# Altium PCB myfirst_project.PcbDoc (part 2 of 2)
Units mil, origin at the board's own origin, x right, y up, seen from the top; angles counter-clockwise.
Board outline 4094.44 x 3747.51 mil, 4 copper layers (Top Layer, Int1 (GND), Int2 (PWR), Bottom Layer), stack 53.819 mil thick; 127 components, 88 nets, 460 pads, 97 vias.
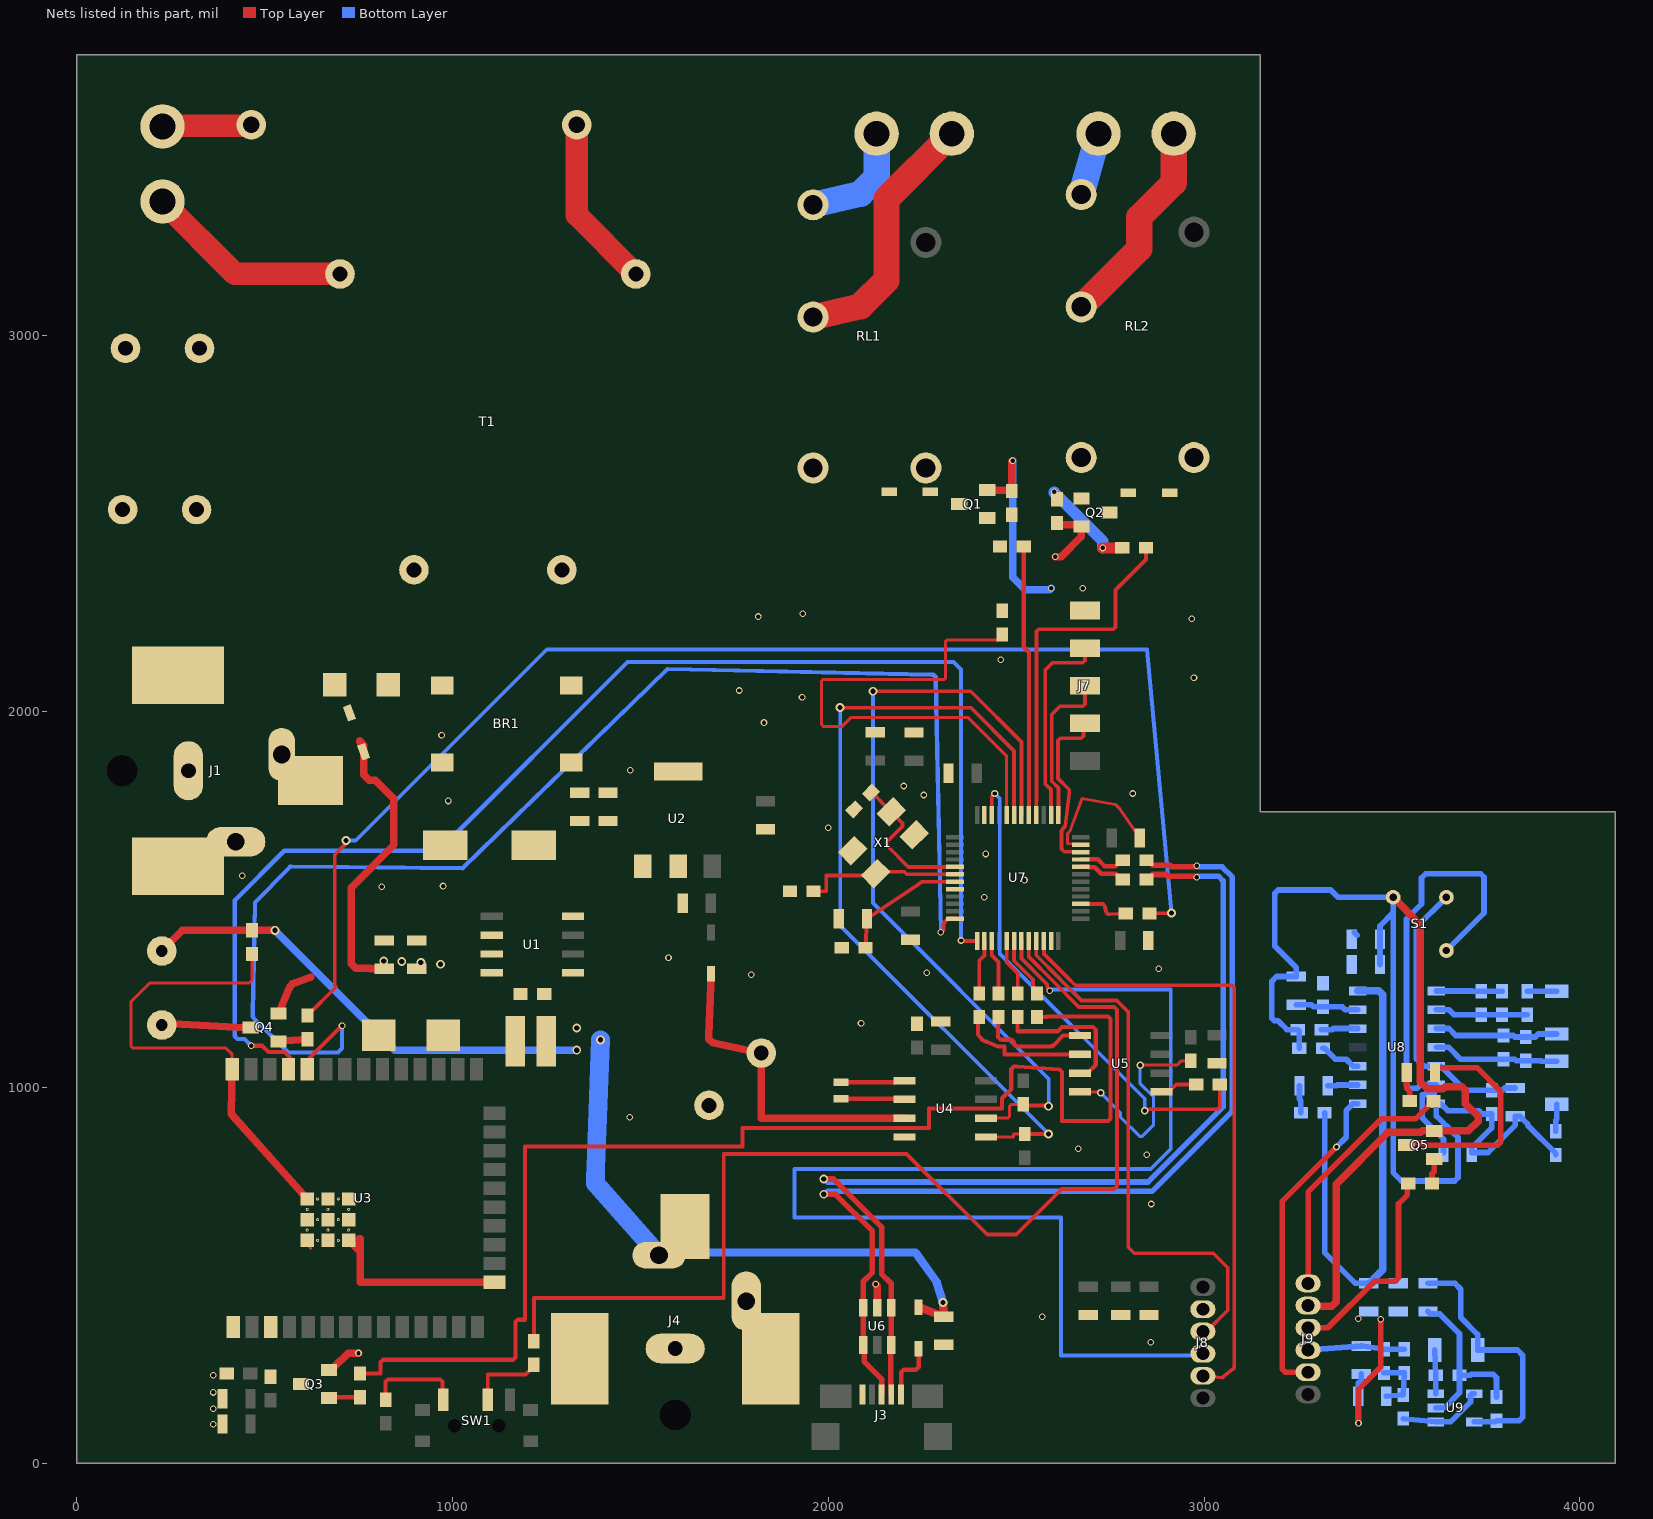
[diagram p4: the nets of this part, all layers, seen from the top]

## Via types
v1: diameter 17.72, hole 11.81, Top Layer to Bottom Layer, 66 vias
v2: diameter 23.62, hole 13.78, Top Layer to Bottom Layer, 25 vias
v3: diameter 19.68, hole 11.81, Top Layer to Bottom Layer, 5 vias
v4: diameter 23.62, hole 13.78, Top Layer to Bottom Layer, tented both sides, 1 vias

## Nets (pads, with @x,y where several pads share a name; then routed paths per layer and width w, separated by ;. In a path a pad name is that pad's centre, name@x,y a point inside that pad or via, vN(x,y) a via of type N, cw(c..) or ccw(c..) an arc to the next point about the centre after c; other vN are vias at no path point) (continued)
3.3VDC_S: C33.1 C34.1 C38.1 C39.1 C40.1 C45.1 J9.1 R25.1 R27.1 R33.1 RT1.1 U8.14 U9.5 | length 2769.4
  Top Layer w15: J9.1@3276.81,477.84 3276.81,720.83 3471.53,915.55 3562.61,915.55 3601.27,954.21 3601.27,957.71 3606.77,963.21 R33.1@3610.27,963.21
  Bottom Layer w15: R27.1@3320.74,931.66 3320.74,559.74 3402.64,477.84 C38.1@3438.23,477.84 ; C34.1@3399.77,1411.7 3407.17,1404.3 ; C40.1@3595.71,477.84 3667.69,477.84 3683.11,462.42 3683.11,387.16 3728.04,342.24 RT1.1@3728.04,300.74 3833.55,300.74 3847.57,286.72 3847.57,121.5 3838.78,112.71 C45.1@3778.16,112.71 3774.82,109.37 U9.5@3719.2,109.37
  Bottom Layer w20: U8.14@3408.59,1255.95 3465.19,1255.95 3475.02,1246.12 3475.02,514.63 3449.86,489.48 3449.86,481.62 3446.08,477.84 C38.1@3438.23,477.84
5VDC: BZ1.2 C6.1 C7.1 C11.2 C12.2 C24.1 D5.1 J4.1 L1.2 U1.4 U2.1 | length 2845.2
  Top Layer w20: BZ1.2@226.72,1362.29 281.84,1417.42 C24.1@466.88,1417.42 527.46,1417.42 v4(527.56,1417.32)
  Top Layer w22: D5.1@2240.5,414.85 C7.1@2307.43,389.26 v2(2305.75,426.99)
  Bottom Layer w20: v4(527.56,1417.32) 846.45,1098.42 v2(1330.71,1098.42)
  Bottom Layer w22: J4.1@1549.56,552.64 1556.96,560.05 2232.19,560.05 2238.77,550.87 2288.57,481.37 2289.63,478.03 v2(2305.75,426.99)
  Bottom Layer w50: v2(1393.7,1125.98) 1381.66,784.31 1380.94,763.75 1380.94,743.99 1393.43,729.82 J4.1@1549.56,552.64
  other v2: 1330.71,1157.48
12VDC: C3.2 C4.2 D1.1 D2.1 D3.1 J1.1 RL1.5 RL2.4 U1.7 | length 810.5
  Top Layer w20: D1.1@763.6,1892.5 753.11,1921.32 764.61,1909.82 764.61,1831.09 778.51,1817.19 794.4,1817.19 844.05,1767.54 844.05,1644.41 730.85,1531.21 730.85,1328.43 742.56,1316.72 781.7,1316.72 782.96,1315.46 C4.2@818.55,1315.46
  other v2: 968.03,1327.05 915.98,1331.81 865.16,1334.76 817.24,1335.35
AC_LİNE_1: J2.2 R1.1 | length 237.9
  Top Layer w60: J2.2@228.69,3556.58 230.66,3558.55 462.94,3558.55 R1.1@464.91,3560.52
AC_LİNE_2: J2.1 T1.5 | length 553.2
  Top Layer w60: J2.1@228.69,3356.58 420.85,3164.42 T1.5@700.72,3164.42 ; T1.5@699.72,3162.69 T1.5@700.82,3163.79
Buzzer: R20.1 R23.2 | length 3616.4
  Top Layer w10: R20.1@614.52,1190.44 691.13,1267.06 687.16,1271.03 687.16,1618.69 716.95,1648.48 v2(716.95,1656.32) ; R23.2@2854.68,1462.09 v2(2913.46,1463.68)
  Bottom Layer w10: v2(716.95,1656.32) 742.76,1656.32 1251.18,2164.74 2848.25,2164.74 v2(2913.46,1463.68)
GND: BR1.4 C1.2 C2.2 C3.1 C4.1 C6.2 C7.2 C8.2 C9.2 C10.2 C11.1 C12.1 C13.1 C14.1 C15.2 C16.2 C17.2 C18.2 C19.2 C20.2 C21.2 C22.2 C23.1 C24.2 C25.1 C26.2 C27.2 C28.2 C29.2 C30.2 C31.2 C32.1 D4.C J1.2 J1.3 J3.5 J4.2 J4.3 J7.5 J8.2 Q1.2 Q2.2 Q3.2 Q4.2 R3.2 R5.2 R21.1 R22.1 U1.6 U2.2 U3.1 U3.15 U3.38 U3.39 U4.4 U5.4 U6.2 U7.8 U7.23 U7.35 U7.47 X1.2 X1.4 | length 3853.1
  Top Layer w8: 411.17,929.37 411.17,932.51 411.18,932.61 ; U3.38@413.89,1047.85 413.89,1087.38 397.05,1104.22 149.66,1104.22 144.98,1108.9 144.98,1227.35 194.63,1277 458.77,1277 466.88,1285.11 C24.2@466.88,1354.42 ; U3.39@610.91,592.32 622.72,570.96 ; U5.4@2669.93,987.4 2709.46,987.4 2709.57,987.29 2722.56,987.29 v3(2724.79,985.06) ; U7.35@2671.6,1645.16 2636.42,1648.63 2636.42,1663.9 2636.98,1664.46 2636.98,1675.31 2643.36,1681.69 2643.96,1683.33 2675.14,1767.54 2763.75,1752.67 2777.14,1739.28 C29.2@2829.08,1662.88 ; v3(2830.05,1058.54) 2927.77,1058.54 2939.26,1070.04 C22.2@2964.76,1070.04
  Top Layer w20: 411.17,929.37 U3.39@613.67,702.55 ; 411.18,932.61 U3.38@413.89,1047.85 ; Q4.2@537.55,1196.35 566.61,1265.06 568.13,1268.66 573.99,1274.51 581.45,1277.27 623.6,1292.89 ; Q3.2@671.41,247.53 677.15,253.27 683.06,253.27 722.38,292.6 v1(750.2,292.6) ; U3.39@723.91,592.32 751.63,564.6 751.63,596.77 754.29,596.77 754.29,480.92 U3.15@1111.88,480.92 ; v1(2126.77,475.75) 2130.26,472.26 U6.2@2130.26,413.08 ; Q1.2@2423.37,2588.81 2485.83,2588.81 R3.2@2488.53,2586.11 2488.53,2665.29 v1(2490.44,2667.2) ; v1(2603.65,2411) 2619.53,2411 2673.75,2465.22 Q2.2@2673.75,2491.43 2668.54,2496.63 2613.23,2496.63 R5.2@2608.59,2501.27
  Bottom Layer w8: v3(2724.79,985.06) 2777.88,931.97 2777.88,920.06 2828.72,869.21 2835.35,869.21 2865.81,899.67 2865.81,973.57 2830.05,1009.33 v3(2830.05,1058.54)
  Bottom Layer w20: v1(2490.44,2667.2) 2490.44,2357.38 2524.21,2323.62 2589.74,2323.62 v1(2593.72,2327.59)
  other v1: 363.86,102.68 363.86,144.41 363.86,187.72 363.86,233.78 2857.85,321.73 2569.88,389.26 2859.84,689.14 2847.92,820.22 2665.21,836.11 1471.63,919.52 2087.29,1169.75 1795.34,1298.84 2262.05,1304.8 2879.7,1314.73 1574.9,1344.52 2414.98,1505.39 812.27,1533.19 975.13,1535.18 2522.22,1551.07 440.89,1562.98 2418.95,1620.58 1999.9,1690.09 989.03,1761.58 2254.11,1777.47 2810.19,1781.44 2200.49,1801.3 1473.61,1843.01 971.15,1936.35 1829.11,1970.11 1930.39,2037.64 1763.57,2055.51 2973.04,2089.27 2458.67,2136.94 2967.08,2246.17 1813.98,2252.17 1932.38,2260.07 2677.13,2327.59
GND_S: C33.2 C34.2 C37.2 C38.2 C39.2 C40.2 C43.2 C44.2 C45.2 C46.2 C47.2 J9.2 Q5.2 R29.2 R30.2 R31.2 R32.2 R37.2 S1.3 U8.7 U9.2 | length 5299.3
  Top Layer w15: v1(3410.48,384.25) v1@3410.68,384.06 ; v1@3410.68,105.52 v1(3410.87,105.32) 3410.87,195.93 3470.1,255.16 v1(3470.1,382.15)
  Top Layer w20: J9.2@3276.81,418.79 3278.67,416.92 3339.88,416.92 3351.6,428.64 3351.6,742 3489.4,879.8 3576.92,879.8 3580.63,883.51 Q5.2@3612.29,883.51 3702.86,883.51 3729.12,909.77 3729.12,922.19 3695.06,956.25 3695.06,992.38 3686.27,1001.17 3641.59,1001.17 3639.35,998.93 3637.77,998.93 3635.27,996.43 3593.63,996.43 3575.77,1014.29 3575.77,1432.66 S1.3@3503.09,1505.34
  Bottom Layer w15: R30.2@3253.46,1103.98 3253.46,1149.26 R29.2@3249.53,1153.2 3220.53,1153.2 3196.86,1176.86 3187.05,1176.86 3180.11,1183.8 3180.11,1281.44 3193.21,1294.54 C37.2@3245.12,1294.54 3245.12,1318.32 3188.32,1375.12 3188.32,1515.86 3197.11,1524.65 3337.15,1524.65 3356.45,1505.34 S1.3@3503.09,1505.34 3503.09,1464 ; v1(3410.87,105.32) 3410.01,106.18 C47.2@3410.01,177.3 3410.01,212.89 3418.42,221.3 C46.2@3418.42,236.63 ; C33.2@3468.03,1326.42 C34.2@3468.03,1393.35 3468.03,1428.94 3503.09,1464 ; C40.2@3595.71,403.04 3601.99,396.76 3627.13,396.76 3679.83,344.06 R37.2@3679.83,233.38 ; U9.2@3616.83,146.77 3639.7,146.77 3679.83,186.9 R37.2@3679.83,233.38 ; C45.2@3778.16,175.71 3778.16,226.97 3769.37,235.76 3711.21,235.76 3708.83,233.38 R37.2@3679.83,233.38 ; R31.2@3936.2,819.81 3936.2,823.31 3860.93,898.58 3860.93,902.03 3840.08,922.88 C44.2@3828.27,922.88 3828.27,899.1 3755.47,826.3 C43.2@3711.86,826.3 3711.86,838.11 3765.28,891.53 R32.2@3765.28,928.78 3739.78,928.78 3731.1,937.46 3648.33,937.46 3629.85,955.95 U8.7@3618.03,955.95 3618.03,923.48 3666.9,874.61 3668.17,874.61 3675.62,867.16 3675.62,759.28 3666.83,750.49 3525.4,750.49 3503.09,772.8 3503.09,1464
"LED DRIVER": J8.3 U7.21 | length 1462
  Top Layer w10: U7.21@2553.49,1389.26 2553.49,1351.02 2616.96,1287.55 2616.96,1287.31 2673.82,1230.45 2767.68,1230.45 2798.27,1199.85 2798.27,573.95 2814.18,558.05 3024.69,558.05 3063.29,519.46 3063.29,406.52 3006.72,349.95 J8.3@2996.87,349.95
LED_S: J9.3 R38.1 | length 557.8
  Top Layer w15: J9.3@3276.81,359.73 3329.06,359.73 3453.01,483.69 3508.73,483.69 3517.51,492.48 3517.51,689.45 3541.04,712.97 3541.04,741.2 R38.1@3543.58,743.75
LİGHT1_GND: J5.1 RL1.3 | length 307.2
  Bottom Layer w70: RL1.3@1959.72,3347.76 2086.17,3377.05 2128.69,3419.57 J5.1@2128.69,3536.9
LİGHT1_VCC: J5.2 RL1.2 | length 688.9
  Top Layer w70: RL1.2@1959.72,3048.94 2086.17,3078.23 2154.84,3146.91 2154.84,3363.05 J5.2@2328.69,3536.9
LİGHT2_GND: J6.1 RL2.3 | length 168.2
  Bottom Layer w70: RL2.3@2673.18,3375.09 J6.1@2719.24,3536.9
LİGHT2_VCC: J6.2 RL2.2 | length 562.6
  Top Layer w70: RL2.2@2673.18,3076.27 2827.6,3230.69 2827.6,3314.8 2919.24,3406.44 J6.2@2919.24,3536.9
MCU_N: R17.1 U7.32 | length 126.1
  Top Layer w12: U7.32@2671.6,1586.11 2671.7,1586.01 2692.87,1586.01 2693.56,1585.33 2709.4,1585.33 2726.59,1568.14 2764.81,1568.14 2780.3,1552.64 R17.1@2783.8,1552.64
MCU_P: R18.1 U7.33 | length 126.1
  Top Layer w12: U7.33@2671.6,1606.31 2716.98,1606.31 2734.96,1588.34 2764.81,1588.34 2780.3,1603.83 R18.1@2783.8,1603.83
NetBR1_1: BR1.1 T1.9
NetBR1_2: BR1.2 T1.7
NetBR1_3: BR1.3 F1.1
NetBZ1_1: BZ1.1 Q4.3 | length 238.5
  Top Layer w20: BZ1.1@226.72,1165.44 231.75,1169.97 447.71,1158.64 Q4.3@463.14,1158.94
NetC1_1: C1.1 C2.1 D1.2 F1.2
NetC5_1: C5.1 U1.1
NetC5_2: C5.2 D4.A L1.1 U1.8
NetC18_1: C18.1 D6.1 U4.3 | length 874.2
  Top Layer w20: D6.1@1688.1,1301.32 1682.69,1136.88 1682.68,1136.55 1682.68,1127.94 1692.75,1117.88 C18.1@1821.91,1090.75 1821.91,917.41 U4.3@2203.1,917.41
NetC23_2: C23.2 U7.5 X1.3 | length 400.5
  Top Layer w10: C23.2@2113.53,1783.86 2117.01,1783.86 2138.58,1762.29 2139.74,1762.29 2139.74,1760.5 X1.3@2167.75,1732.49 2197.77,1702.46 2197.77,1694.18 2155.55,1651.96 2155.55,1643.67 2213.11,1586.11 U7.5@2336.96,1586.11
NetC25_2: C25.2 U7.6 X1.1 | length 425
  Top Layer w10: C25.2@1960.98,1521.15 1994.98,1521.15 1994.98,1563.37 2121.12,1563.37 2130.86,1573.11 2202.06,1573.11 2208.68,1566.5 2287.88,1566.5 2287.96,1566.42 U7.6@2336.96,1566.42
NetC35_1: C35.1 R24.1 R26.2 U8.2 | length 247.3
  Bottom Layer w15: U8.2@3618.03,1205.95 3651.26,1205.95 3664.65,1192.56 C35.1@3737.72,1192.56 R24.1@3792.84,1192.56 R26.2@3859.77,1192.56
NetC35_2: C35.2 R24.2 U8.1 | length 175
  Bottom Layer w15: U8.1@3618.03,1255.95 3711.83,1255.95 3712.22,1255.56 C35.2@3737.72,1255.56 R24.2@3792.84,1255.56
NetC36_1: C36.1 C41.1 R28.1 U8.3 | length 333
  Bottom Layer w15: U8.3@3618.03,1155.95 3651.26,1155.95 3669.76,1137.45 C41.1@3796.77,1137.45 3822.27,1137.45 3826.21,1133.51 R28.1@3855.83,1133.51 3881.33,1133.51 3889.2,1141.38 C36.1@3938.51,1141.38
NetC36_2: C36.2 R26.1 | length 78.7
  Bottom Layer w15: R26.1@3859.77,1255.56 3897.01,1255.56 C36.2@3938.51,1255.56
NetC37_1: C37.1 R25.2 U8.13 | length 169.2
  Bottom Layer w15: C37.1@3245.12,1219.74 3285.11,1219.74 3291.12,1213.72 R25.2@3316.62,1213.72 3367.59,1213.72 3375.36,1205.95 U8.13@3408.59,1205.95
NetC41_2: C41.2 C42.1 R28.2 U8.4 | length 335.8
  Bottom Layer w15: U8.4@3618.03,1105.95 3651.26,1105.95 3682.76,1074.45 C41.2@3796.77,1074.45 3826.39,1074.45 3830.33,1070.51 R28.2@3855.83,1070.51 3895.68,1070.51 3897.08,1069.11 C42.1@3938.58,1069.11
NetC42_2: C42.2 R31.1 | length 73.1
  Bottom Layer w15: R31.1@3936.2,882.81 3936.2,911.81 3938.58,914.19 C42.2@3938.58,954.94
NetC43_1: C43.1 S1.1 U8.6 | length 1301
  Bottom Layer w15: U8.6@3618.03,1005.95 U8.6@3616.03,1005.95 ; C43.1@3637.06,826.3 3637.06,861.89 3580.31,918.64 3580.31,980.03 3586.97,980.03 3588.8,981.87 3612.12,981.87 3612.12,1002.03 U8.6@3616.03,1005.95 ; S1.1@3644.82,1363.61 3744.81,1463.6 3744.81,1558.85 3736.02,1567.64 3589.61,1567.64 3578.43,1556.46 3578.43,1487.4 3538.61,1447.58 3538.61,1005.6 3547.4,996.81 3566.83,996.81 3575.97,1005.95 U8.6@3616.03,1005.95
NetC44_1: C44.1 R32.1 S1.2 U8.5 | length 763.2
  Bottom Layer w15: S1.2@3644.82,1505.34 3565.28,1425.8 3565.28,1074.91 3574.07,1066.13 3574.63,1066.13 3584.81,1055.95 3629.85,1055.95 3694.01,991.78 R32.1@3765.28,991.78 3793.81,991.78 3799.71,997.68 C44.1@3828.27,997.68
NetC47_1: C47.1 R34.1 R35.2 R36.1 | length 156.8
  Bottom Layer w15: R36.1@3478.86,239.76 R34.1@3532.38,239.3 R35.2@3529.7,181.17 C47.1@3484.81,177.3
NetD2_2: D2.2 Q1.3 RL1.4
NetD3_2: D3.2 Q2.3 RL2.5
NetD5_2: D5.2 J3.1 | length 160.1
  Top Layer w12: J3.1@2193.26,182.57 2194.53,183.84 2194.53,241.22 2201.56,248.25 2233.18,248.25 2240.21,255.28 2240.21,304.32 D5.2@2240.5,304.61
NetD7_1: D7.1 U8.9 | length 80.6
  Bottom Layer w15: D7.1@3328.77,1003.99 3352.55,1003.99 3354.51,1005.95 U8.9@3408.59,1005.95
NetD7_2: D7.2 R27.2 | length 73.9
  Bottom Layer w15: D7.2@3253.97,1003.99 3253.97,968.4 3257.74,964.63 R27.2@3257.74,931.66
NetD8_1: D8.1 Q5.3 | length 605.3
  Top Layer w15: Q5.3@3537.88,846.11 3543.57,851.8 3573.25,851.8 3574.75,850.3 3587.59,850.3 3592.42,845.47 3780.76,845.47 3789.55,854.26 3789.55,988.41 3725.88,1052.08 3620.73,1052.08 3614.45,1045.8 D8.1@3614.45,1039.02
NetD8_2: D8.2 R33.2 | length 79
  Top Layer w15: D8.2@3539.65,1039.02 3539.65,996.33 3547.27,988.71 R33.2@3547.27,963.21
NetJ8_5: J8.5 U7.22 | length 1683.4
  Top Layer w10: U7.22@2573.18,1389.26 2574.08,1388.35 2574.08,1365.9 2574.3,1365.68 2574.3,1354.25 2633.96,1294.59 2633.96,1294.35 2657.27,1271.04 3074.43,1271.04 3080.29,1265.18 3080.29,253.38 3076.69,250.38 3048.75,227.11 J8.5@2996.87,231.84
NetJ9_5: J9.5 U8.8 | length 868.6
  Top Layer w15: J9.5@3276.81,241.62 3216.36,241.62 3207.57,250.41 3207.57,696.05 v3(3352.32,840.8)
  Bottom Layer w15: v3(3352.32,840.8) 3378.29,866.77 3378.29,937.46 3396.77,955.95 U8.8@3408.59,955.95
NetQ1_1: Q1.1 R2.2 R3.1
NetQ2_1: Q2.1 R4.2 R5.1 | length 254.3
  Top Layer w30: v1(2730.75,2434.84) R4.2@2782.66,2434.84
  Bottom Layer w30: v1(2601.66,2583.79) 2601.66,2581.58 2730.75,2452.49 v1(2730.75,2434.84)
NetQ3_1: Q3.1 R9.2 | length 83.7
  Top Layer w12: Q3.1@671.41,172.72 674,175.32 R9.2@754.02,175.32
NetQ4_1: Q4.1 R20.2 | length 77.2
  Top Layer w20: Q4.1@537.55,1121.54 R20.2@614.52,1127.44
NetQ5_1: Q5.1 R38.2 | length 67.3
  Top Layer w15: R38.2@3606.58,743.75 3606.58,769.25 3612.29,774.95 Q5.1@3612.29,808.71
NetR1_2: R1.2 T1.1 | length 461.5
  Top Layer w60: R1.2@1331.05,3560.52 1331.05,3320.36 T1.1@1487.55,3163.86
NetR2_1: R2.1 U7.41 | length 720.9
  Top Layer w11: R2.1@2519.96,2438.81 2520.23,2438.53 2520.23,2171.12 2534.14,2157.22 2534.14,1745.41 2533.9,1745.17 2533.9,1724 U7.41@2533.81,1723.9
NetR4_1: R4.1 U7.40 | length 948.4
  Top Layer w10: U7.40@2553.49,1723.9 2553.49,1762.53 2554,1763.03 2554,2212.5 2559.85,2218.36 2758.65,2218.36 2764.51,2224.22 2764.51,2323.19 2845.66,2404.34 R4.1@2845.66,2434.84
NetR6_1: R6.1 SW1.1 | length 253.6
  Top Layer w10: R6.1@822.2,168.53 822.2,216.57 828.06,222.43 967.69,222.43 973.55,216.57 973.55,170.56 SW1.1@975.91,168.2
NetR7_2: R7.2 SW1.2 | length 202.7
  Top Layer w10: SW1.2@1094.02,168.2 1094.02,235.23 1194.31,235.23 1216.88,257.8 R7.2@1216.88,261.3
NetR10_1: R10.1 U5.1 | length 293.9
  Top Layer w11: R10.1@2453.1,1186.5 2453.02,1182.93 2452.08,1138.17 2452.08,1138.05 2452.08,1133.38 2458.28,1127.18 2464.86,1126.29 ; 2464.9,1126.28 ccw(c2466.34,1137.19) 2466.34,1126.19 2483.42,1126.19 cw(c2483.42,1115.19) 2493.71,1119.06 2495.12,1115.32 ccw(c2505.42,1119.19) 2505.42,1108.19 2591.15,1108.19 ccw(c2591.15,1119.19) 2598.92,1111.41 2624.91,1137.4 U5.1@2669.93,1137.4
NetR11_1: R11.1 U5.3 | length 396.9
  Top Layer w11: R11.1@2504.28,1186.5 2503.7,1159.08 2503.52,1150.23 2505.05,1148.7 2610.68,1148.7 2621.72,1159.74 2704.64,1159.74 2711.96,1152.42 2711.96,1059.74 2689.62,1037.4 U5.3@2669.93,1037.4
NetR12_1: R12.1 U5.2 | length 349.5
  Top Layer w11: R12.1@2401.92,1186.5 2399.04,1176.33 2398.64,1174.9 2398.64,1139.76 2409.94,1126.37 2411.84,1124.46 2420.95,1120.77 2451.98,1108.19 2468.6,1108.19 2468.6,1087.4 U5.2@2669.93,1087.4
NetR13_1: R13.1 U5.5 | length 100.8
  Top Layer w10: U5.5@2886.47,987.4 2906.15,987.4 2910.99,992.24 2926.03,1007.28 R13.1@2978.98,1007.28
NetR19_1: R19.1 U7.18 | length 165
  Top Layer w10: U7.18@2494.44,1389.26 2494.44,1336.19 2544.96,1285.66 2544.96,1260 R19.1@2555.46,1249.5
NetR22_2: R22.2 U7.44 | length 1410.8
  Top Layer w8: R22.2@2462.64,2204.74 2462.64,2201.24 2451.14,2189.74 2316.39,2189.74 2311.7,2185.05 2311.7,2087.93 2309.08,2085.3 1986.71,2085.3 1982.03,2080.61 1982.03,1964.87 1986.71,1960.18 2037.64,1960.18 2061.47,1984.01 2371.28,1984.01 2474.75,1880.55 U7.44@2474.75,1723.9
NetR23_1: R23.1 U7.27 | length 138.3
  Top Layer w10: U7.27@2671.6,1487.68 2726.66,1487.54 2730.79,1487.52 2735.79,1482.52 2736.63,1478.6 2738.9,1468 2739.52,1465.11 2744.54,1460.09 2748.91,1460.09 R23.1@2791.68,1462.09
NetR29_1: R29.1 U8.12 | length 97.2
  Bottom Layer w15: R29.1@3312.53,1153.2 3341.53,1153.2 3344.28,1155.95 U8.12@3408.59,1155.95
NetR30_1: R30.1 U8.10 | length 112
  Bottom Layer w15: R30.1@3316.46,1103.98 3319.96,1103.98 3349.51,1074.44 3378.29,1074.44 3396.77,1055.95 U8.10@3408.59,1055.95
NetR35_1: R35.1 U9.1 U9.4 | length 231.2
  Bottom Layer w15: R35.1@3529.7,118.17 U9.1@3616.83,109.37 3656.02,109.37 3709.01,162.36 3709.01,179.86 3713.32,184.17 U9.4@3719.2,184.17
NetR37_1: R37.1 RT1.2 U9.3 | length 116.6
  Bottom Layer w15: RT1.2@3613.86,300.74 R37.1@3616.83,233.38 U9.3@3616.83,184.17
NetU4_1: U4.1 Y1.2 | length 171.4
  Top Layer w12: Y1.2@2033.66,1012.67 2178.67,1012.67 2183.41,1017.41 U4.1@2203.1,1017.41
NetU4_2: U4.2 Y1.1 | length 170.2
  Top Layer w12: Y1.1@2033.66,969.36 2063.35,969.36 2063.54,969.17 2201.34,969.17 U4.2@2203.1,967.41
NRST: C32.2 R21.2 U7.7 | length 341.2
  Top Layer w10: R21.2@2099.32,1370.92 C32.2@2103.24,1448.37 2240.06,1540.12 2247.4,1545.04 2249.92,1546.74 U7.7@2336.96,1546.74
"RTC SCL": R15.1 U4.6 U7.42 | length 2143.5
  Top Layer w8: U4.6@2419.63,917.41 2477.81,917.41 2482.5,922.09 2482.5,949.53 2487.19,954.22 R15.1@2518.88,954.22
  Top Layer w10: v2(2119.06,2053.52) 2379.23,2053.52 2514.12,1918.63 U7.42@2514.12,1723.9 ; R15.1@2518.88,954.22 2521.8,951.29 2583.79,951.29 v2(2585.77,949.31)
  Bottom Layer w10: v2(2119.06,2053.52) 2119.06,1489.68 2586.77,1021.98 2586.77,950.3 v2(2585.77,949.31)
"RTC SDA": R16.1 U4.5 U7.43 | length 2219.3
  Top Layer w8: U4.5@2419.63,867.41 2492.32,867.41 2492.32,875.48 R16.1@2522.82,875.48 ; v2@2585.77,875.48 v2(2585.77,875.83)
  Top Layer w10: v2(2031.68,2009.83) 2379.23,2009.83 2494.44,1894.62 U7.43@2494.44,1723.9 ; R16.1@2522.82,875.48 v2@2585.77,875.48
  Bottom Layer w10: v2(2031.68,2009.83) 2031.68,1429.92 v2(2585.77,875.83)
"SENSOR ON/OFF": R7.1 U7.20 | length 2996.2
  Top Layer w10: R7.1@1216.88,324.3 1216.88,438.91 1721.86,438.91 1721.86,822.2 2208.43,822.2 2422.92,607.72 2500.37,607.72 2621.52,728.86 2760.64,728.86 2768.11,736.33 2768.11,1205.98 2760.64,1213.45 2666.78,1213.45 2599.96,1280.26 2599.96,1280.51 2533.81,1346.66 U7.20@2533.81,1389.26
SWCLK: J7.3 U7.37 | length 423.8
  Top Layer w10: U7.37@2612.55,1723.9 2612.55,1796.06 2594.59,1814.02 2594.59,1991.77 2616.63,2013.8 2677.23,2013.8 2683.09,2019.66 J7.3@2683.09,2068.13
SWDIO: J7.2 U7.34 | length 467.4
  Top Layer w10: U7.34@2671.6,1625.48 2670.7,1626.38 2627.98,1626.38 2620.42,1633.95 2620.42,1681.38 2621.77,1683.05 2622.26,1683.74 2622.82,1684.54 2630.45,1695.31 2641.38,1782.99 2641.38,1791.27 2638.45,1794.2 2611.59,1821.06 2611.59,1922.55 2617.45,1928.41 2673.26,1928.41 2679.11,1934.26 2679.11,1964.15 J7.2@2683.09,1968.13
TDI: J7.4 U7.38 | length 541.3
  Top Layer w10: U7.38@2592.86,1723.9 2592.86,1791.71 2577.59,1806.98 2577.59,2110.15 2596.94,2129.5 2677.23,2129.5 2683.09,2135.36 J7.4@2683.09,2168.13
"TEMP IN CS": R12.2 U7.14 | length 145.5
  Top Layer w10: R12.2@2401.92,1249.5 2401.92,1336.86 2415.7,1350.64 U7.14@2415.7,1389.26
"TEMP IN OT": R13.2 U7.46 | length 1334.1
  Top Layer w10: U7.46@2435.38,1723.9 2435.38,1774.04 v3(2442.78,1781.44) ; v3(2841.97,937.39) 2845.94,941.36 3036.12,941.36 3041.98,947.22 R13.2@3041.98,1007.28
  Bottom Layer w10: v3(2442.78,1781.44) 2456.68,1767.54 2456.68,1354.45 2841.97,969.17 v3(2841.97,937.39)
"TEMP IN SIO": R11.2 U7.17 | length 152
  Top Layer w10: U7.17@2474.75,1389.26 2474.75,1331.83 2504.28,1302.3 R11.2@2504.28,1249.5
TEMP_ADC: C46.1 J9.4 R34.2 R36.2 | length 256.6
  Bottom Layer w15: J9.4@3276.81,300.68 C46.1@3418.42,311.43 R36.2@3478.86,302.76 R34.2@3532.38,302.3
TEMP_IN_SCLK: R10.2 U7.15 | length 147.1
  Top Layer w10: U7.15@2435.38,1389.26 2435.38,1350.64 2453.1,1332.92 R10.2@2453.1,1249.5
TEMPERATURE_ADC: J8.4 U7.19 | length 3521.7
  Top Layer w10: U7.19@2514.12,1389.26 2514.12,1342.31 2582.96,1273.47 2582.96,1265.61 2589.82,1258.75 v1(2589.82,1256.67)
  Bottom Layer w10: v1(2589.82,1256.67) 2591.91,1256.67 2595.01,1259.76 2911.48,1259.76 2911.48,835.69 2858.27,782.48 1910.53,782.48 1910.53,653.39 2619.53,653.39 2619.53,285.98 2996.87,285.98 J8.4@2996.87,290.89
USB_N: J3.2 R17.2 U6.1 U6.6 | length 2631.9
  Top Layer w14.73: v2(1987.99,755.67) 2014.02,755.67 2142.16,627.53 2142.16,503.19 2167.67,477.69 U6.1@2167.67,413.08 U6.6@2167.67,314.26 2167.67,302.05 2166.73,301.11 2166.73,233.57 2166.8,233.49 2166.8,207.46 2167.15,207.11 2167.15,183.08 J3.2@2167.67,182.57 ; R17.2@2846.8,1552.64 2850.3,1552.64 2863.53,1565.87 2899.37,1565.87 2903.7,1561.54 2976.34,1561.54 2978.87,1559.01 v1(2980.99,1559.01)
  Bottom Layer w14.73: v2(1987.99,755.67) 1990.39,755.67 1998.39,747.68 2850.85,747.68 3050.5,947.32 3050.5,1548.89 3037.84,1561.54 2983.52,1561.54 v1(2980.99,1559.01)
USB_P: J3.3 R18.2 U6.3 U6.4 | length 2685.5
  Top Layer w14.73: v2(1987.99,714.96) 2019.76,714.96 2117.43,617.29 2117.43,506.78 2092.86,482.22 U6.3@2092.86,413.08 U6.4@2092.86,314.26 2095.23,311.89 2095.23,270.1 2142.07,223.25 J3.3@2142.07,182.57 ; R18.2@2846.8,1603.83 2850.3,1603.83 2863.53,1590.6 2909.61,1590.6 2913.94,1586.27 2978.45,1586.27 v1(2980.99,1588.8)
  Bottom Layer w14.73: v2(1987.99,714.96) 1990.39,714.96 1998.39,722.95 2861.1,722.95 3075.22,937.08 3075.22,1559.13 3048.09,1586.27 2985.63,1586.27 2983.1,1588.8 v1(2980.99,1588.8)
"WIFI EN": R9.1 R19.2 | length 3383.3
  Top Layer w11: R9.1@754.02,238.32 808.98,238.32 808.98,268.12 815.42,274.57 1161.32,274.57 1167.77,281.01 1167.77,374.87 1174.21,381.31 1193.59,381.31 1193.59,842.06 1771.51,842.06 1771.51,891.71 2268.01,891.71 2268.01,943.35 2462.64,943.35 2462.64,970.51 2487.07,994.94 2487.07,1048.33 2493.51,1054.77 2502.63,1054.77 2615.08,1046.6 2621.52,1040.16 2621.52,909.59 2744.17,909.59 2750.61,916.03 2750.61,1181.18 2744.17,1187.63 2582.09,1187.63 2580.96,1186.5 R19.2@2555.46,1186.5
"WIFI OUT": Q3.3 R8.2 U3.3
"WIFI RXD": U3.34 U7.12 | length 3612.8
  Top Layer w11: U3.34@619.59,1043.99 619.59,1077.07 v1(706.31,1163.8) ; v1(2299.79,1412.05) 2306.26,1418.52 2306.26,1435.34 2319.24,1448.31 U7.12@2336.96,1448.31
  Bottom Layer w11: v1(706.31,1163.8) 706.31,1103.51 695.1,1092.3 563.26,1092.3 470.96,1184.6 468.77,1187.53 468.77,1191.3 468.86,1195.84 474.57,1487.12 474.65,1491.49 564.72,1583.47 564.76,1583.5 568.02,1586.77 572.63,1586.77 1027.46,1582.53 1572.68,2113.06 2275.35,2097.45 2279.76,2097.35 2286.01,2091.1 2286.1,2086.57 v1(2299.79,1412.05)
"WIFI TXD": U3.35 U7.13 | length 3535
  Top Layer w11: v1(464.72,1110.17) 493.84,1110.17 510.72,1093.29 553.37,1093.29 569.59,1077.07 U3.35@569.59,1043.99 ; v1(2353.41,1390.2) 2354.35,1389.26 U7.13@2396.01,1389.26
  Bottom Layer w11: v1(464.72,1110.17) 447.19,1127.71 428.47,1127.71 422.02,1134.16 422.02,1135 421.03,1135.99 421.03,1497.44 552.6,1629.01 963.7,1629.01 1465.75,2131.06 2333.46,2131.06 2353.41,2111.12 v1(2353.41,1390.2)
pads on no net: J1. J3. J3.4 J4. J8.6 J9.6 RL1.1 RL2.1 SW1. SW1.3 U1.2 U1.3 U1.5 U3.4 U3.5 U3.6 U3.7 U3.8 U3.9 U3.10 U3.11 U3.12 U3.13 U3.14 U3.16 U3.17 U3.18 U3.19 U3.20 U3.21 U3.22 U3.23 U3.24 U3.25 U3.26 U3.27 U3.28 U3.29 U3.30 U3.31 U3.32 U3.33 U3.36 U3.37 U4.7 U5.6 U5.7 U7.1 U7.2 U7.3 U7.4 U7.10 U7.11 U7.16 U7.25 U7.26 U7.28 U7.29 U7.30 U7.31 U7.39 U7.45 U8.11

## Polygon pours and split planes (outlines as drawn)
no net on Top Layer "NONET_L01_P039" (solid, pour order 39): 2551.18,173.23 2600.39,171.26 2600.39,210.63 2551.18,210.63
GND on Top Layer "GND_L01_P034" (solid, pour order 34): 73.48,3108.09 29.79,2911.48 33.76,2903.53 42.36,1237.36 113.98,1078.85 1092.44,1075.41 1100.24,1020.8 1197.56,977.11 1193.59,381.31 1245.22,359.47 1247.21,47.66 1249.19,21.85 3116.03,21.85 3112.06,2371.28 2218.36,2379.23 1507.37,2379.23 1360.41,1952.24 548.14,1966.14 224.42,2488.46 200.59,3106.1
NetBR1_1 on Top Layer "NETBR1_1_L01_P009" (solid, pour order 9): 1234.35,2411.55 1231.9,2355.5 ccw(c1486.62,2607.26) 1418.8,2255.6 1434.7,2224.9 1459.52,2126.72 1462.1,2094.2 1450.7,1970.4 1390.49,1910.19 1268.37,1905.89 1258.11,1866.21 ccw(c1305.54,1853.94) 1270.9,1819.3 1372.4,1819.3 1459.5,1906.4 1464.5,1916.7 1468.3,1927.3 1516.7,1975.7 1502.8,2255.6 1332.86,2433.46 1257.8,2440.2 1243.8,2430.6 1238.6,2421
GND_S on Top Layer "GND_S_L01_P038" (solid, remove dead copper, pour order 38): 3212.15,1637.38 3207.95,1637.38 4027.49,1637.38 4027.49,69.63 4003.71,45.85 3164.69,45.85 3164.69,1673.66 3212.15,1673.66 3627.56,1673.66 4027.49,1665.29 4027.49,1637.38 3273.7,1637.38
GND_S on Top Layer "GND_S_L01_P036" (solid, pour order 36): 3164.69,1635.34 3207.95,1637.38 4027.49,1637.38 4027.49,69.63 4003.71,45.85 3163.39,45.85 3164.69,1636.85 3207.95,1637.38 3212.15,1635.34
NetBR1_2 on Top Layer "NETBR1_2_L01_P000" (solid, pour order 0): 836.21,2446.1 ccw(c908.3,2381.65) 836.21,2317.2 918.8,2317.2 1030.36,2317.2 1072.23,2275.33 1162.9,2169.9 1218.85,2060.18 1233.48,2030.06 1244.19,2024.44 1243.82,2022.4 1367,2022.4 ccw(c1321.34,2066.4) 1367,2110.4 1290.14,2131.46 1017.7,2446.1
no net on Top Layer "NONET_L01_P035" (solid, pour order 35): 564.02,2808.2
3.3VDC on Top Layer "3.3VDC_L01_P019" (solid, pour order 19): 1737.75,1372.33 1753.64,1642.42 1781.44,1723.85 1910.53,1735.76 2113.1,1837.05 2268.01,1839.04 2309.72,1898.62 2353.05,1881.59 2360.32,1807.49 2387.17,1749.95 2387.17,1694.06 2391.14,1690.09 2399.32,1690.09 ccw(c2399.32,1695.43) 2404.63,1696.1 2405.63,1716.56 2404.01,1723.6 2404.87,1727.37 2404.87,1741.72 2402.81,1755.75 2412.37,1774.87 2418.22,1786.58 2429.24,1825.37 2429.84,1841.11 2419.75,1902.37 2258.21,1909.6 2041.61,1900.6 1995.93,1829.11 1791.37,1803.29 1650.52,1691.01 1650.52,1529.22 1660.3,1368.35
5VDC on Top Layer "Top Layer-5VDC" (solid, pour order 14): 1207.55,1029.51 1430.52,1033.35 1500,1204.72 1500,1311.62 1328.55,1628.62 1362.2,1618.11 1417.32,1511.81 1551.18,1507.87 1547.24,1633.85 1464.56,1728.34 1330.71,1740.15 1299.21,1728.34 1303.15,1728.34 1289.51,1700.81 1282.03,1714.66 1269.03,1724.41 1137.79,1724.41 1110.23,1673.23 1145.67,1574.8 1270.8,1429.48 1367.03,1425.63 1420.42,1216.19 1334.78,1205.81 1209.4,1203.65
GND on Bottom Layer "Bottom Layer-GND" (solid, pour order 28): 41.71,1370.34 174.77,1237.28 303.86,1237.28 303.86,1227.35 528.28,1002.93 1312.75,1002.93 1312.75,345.56 1275.01,307.83 456.78,307.83 397.2,248.25 397.2,170.8 391.24,164.84 339.61,164.84 339.61,29.79 347.55,21.85 3112.06,21.85 3112.06,2357.38 3110.08,2359.37 3092.2,2359.37 3058.44,2325.61 1394.17,2325.61 1328.63,2260.07 417.06,2260.07 417.06,2317.66 228.39,2506.33 198.6,3108.09 73.48,3108.09 29.79,2915.45 31.78,2909.49 41.71,2256.1
GND_S on Bottom Layer "GND_S_L04_P037" (solid, remove dead copper, pour order 37): 3181.99,1663.34 3207.95,1637.38 4027.49,1637.38 4027.49,69.63 4003.71,45.85 3164.69,45.85 3164.69,1652.74 3200.98,1689.03 3212.15,1677.86 3212.15,1635.34
GND on Int1 (GND) (split plane): 452.81,2220.35 1747.68,2220.35 1747.68,2764.51 3129.56,2764.51 3129.56,1732.28 3129.95,1728.36 3131.09,1724.59 3132.95,1721.12 3134.56,1719.16 3130.81,20.06 20.14,20.06 20.14,170.8 397.2,170.8 397.2,1070.45 20.14,1070.45 20.14,3217.4 452.81,3217.4
GND_S on Int1 (GND) (split plane): 4074.39,20.06 3160.96,20.06 3164.69,1712.19 4074.39,1712.19
3.3VDC on Int2 (PWR) (split plane): 188 vertices, not listed, extent 20.14,20.06 3132.04,3217.4
12VDC on Int2 (PWR) (split plane): 161 vertices, not listed, extent 469.85,1298.59 3056.38,2764.51
3.3VDC_S on Int2 (PWR) (split plane): 4074.39,20.06 3161.51,20.06 3167.18,1712.19 4074.39,1712.19
5VDC on Int2 (PWR) (split plane): 1464.93,1258.04 1491.42,1162.68 1485.04,1119.62 1355.43,1016.7 1355.42,1016.69 1355.41,1016.68 1354.18,1015.49 1352.96,1014.3 1352.95,1014.29 1352.94,1014.28 1351.97,1012.88 1351,1011.47 1350.99,1011.46 1350.98,1011.44 1350.3,1009.87 1349.62,1008.3 1349.62,1008.29 1349.62,1008.28 1349.26,1006.63 1348.9,1004.93 1348.9,1004.92 1348.89,1004.91 1336.98,899.65 1336.96,898.6 1336.87,897.55 1336.94,896.88 1336.93,896.2 1337.12,895.17 1337.23,894.12 1337.43,893.48 1337.55,892.81 1337.94,891.83 1338.25,890.83 1338.58,890.24 1338.82,889.61 1339.4,888.72 1339.9,887.8 1340.33,887.28 1340.7,886.72 1341.43,885.96 1342.11,885.15 1483.11,746.13 1483.16,746.09 1483.21,746.04 1484.5,745.01 1485.79,743.96 1485.85,743.93 1485.9,743.89 1487.37,743.13 1488.84,742.36 1488.91,742.34 1488.97,742.31 1490.56,741.85 1492.15,741.38 1492.22,741.38 1492.28,741.36 1671.2,708.49 1660.82,587.35 1621.34,463.53 1473.48,452.84 1330,530.25 1167.36,723.5 1161.64,1028.76 1311.02,1218.36 1404.28,1282.92
3.3VDC on Int2 (PWR) (split plane): 2888.56,2764.07 2888.15,2763.27 2888.06,2762.86 2887.9,2762.47 2829.86,2548.19 2261.08,2548.19 2221.83,2637.9 2221.73,2638.07 2221.67,2638.26 2160.34,2764.51 2888.75,2764.51

## Keep-outs
Top Layer:
  circle w10: c2574.8,194.88 r59.06
Keep-Out Layer:
  the board outline again, w10

## Other copper
Top Layer:
  region net GND: 2574.8,194.88 2574.8,220.47 2600.39,171.26 2551.18,173.23 2576.77,224.41
  region net GND: 2574.8,194.88
  region net 12VDC: 980.33,1244.11 1019.68,1283.46 1019.68,1330.71 1169.29,1330.71 1147.48,1371.78 779.53,1350.39 775.59,1346.45 775.59,1267.71 803.15,1240.15 838.37,1240.15 838.54,1238.07 975.34,1237.83
  region net 12VDC: 2052.35,2586.94 2069.41,2569.88 2188.57,2569.88 2188.57,2601.66 2152.82,2637.41 2152.82,2698.97 2113.1,2738.69 2111.12,2736.71 2047.57,2736.71 1932.83,2702.99 1912.05,2660.63 1908.74,2598.27 1956.14,2589.13
  region net NetD2_2: 2409.02,2621.52 2442.78,2655.28 2442.78,2732.74 2321.63,2732.74 2321.63,2696.39 2296.97,2725.51 2252.44,2726.14 2202.68,2704.57 2196.81,2620.12 2246.17,2603.65 2246.17,2573.86 2295.82,2524.21 2295.82,2522.22 2375.26,2522.22 2375.26,2591.73 2365.33,2601.66 2365.33,2609.6 2369.3,2621.52
  region net LED_S: 3318.01,354.03 3302.36,384.17 3247.07,384.48 3239.6,365.05 3247.97,339.05 3260.52,333.94 3298.1,334.33 3310.43,338.15
  region net GND_S: 3318.2,412.72 3302.55,442.86 3247.26,443.17 3239.79,423.74 3248.16,397.74 3260.71,392.62 3298.29,393.01 3310.62,396.84
  region: 3225.26,458.77
  region net 3.3VDC_S: 3320.59,510.4 3316.62,452.81 3241.15,452.81 3243.14,510.4
  pour cut-out: 2409.02,1902.59 2409.02,1890.67 2421.65,1890.67 2421.71,1890.73 2419.68,1902.43 2409.1,1902.92
  pour cut-out: 2616.02,1692.63 2616.02,1681.41 2621.71,1675.73 2621.71,1690.27 2624.07,1692.63 2616.02,1692.63 2616.02,1686.22 2616.84,1685.4
  pour cut-out: 2606.41,1692.63 2606.41,1681.36 2609.6,1678.17 2624.07,1692.63 2625.63,1692.63 2625.63,1687.47 2625.63,1692.63
  pour cut-out: 2583.79,1692.07 2583.79,1608.66 2589.2,1614.07 2637.55,1614.07
  pour cut-out: 2583.79,1608.66 2636.25,1608.66 2640.98,1613.39 2621.71,1632.66 2621.71,1681.65 2626.58,1686.52 2625.63,1687.47 2625.63,1692.63 2587.2,1692.63 2585.77,1694.06 2583.79,1692.07
  pour cut-out: 2695.95,1697.03
  pour cut-out: 2677.13,1719.88 2695.95,1738.7 2695.95,1800.93 2629.79,1800.93 2626.82,1797.96 2626.82,1698.94 2632.92,1692.85 2637.1,1697.03 2695.95,1697.03 2695.95,1746.73 2695,1747.68
  pour cut-out: 2710.22,1629.88 2996.87,1628.52 3018.72,1598.73 3018.72,1533.19 2969.07,1515.32 2728.76,1515.32 2712.88,1517.3 2710.22,1625.48
  region net GND: 578.9,551.26 770.35,551.26 776.89,544.72 776.89,737.2 578.9,742.72 578.9,714.65 344.17,714.65 344.17,62.99 424.09,62.99 424.09,309.72 437.83,309.72 437.83,402.13 444.17,402.13 444.17,642.91 578.9,642.91
  region net 12VDC: 488.56,1956.21 454.79,1922.45 454.79,1793.36 554.09,1694.06 556.08,1696.04 748.72,1696.04 820.22,1767.54 810.29,1777.47 810.29,1928.41 782.48,1956.21
  region net NetC1_1: 258.18,3043.73 258.18,2508.32 631.55,2134.95 631.55,1999.9 659.35,1999.9 695.1,1964.15 766.6,1964.15 766.6,2059.48 488.56,2337.52 488.56,3033.6
  region net NetBR1_3: 778.51,2119.06 778.51,2011.82 1004.92,2011.82 1014.85,2011.82 1022.79,2013.8 1022.79,2115.09
  region net "WIFI OUT": 503.04,306.42 500.47,299.89 500.47,204.56 569.98,204.56 569.98,184.7 627.58,184.7 627.58,244.28 540.19,244.28 540.19,394.38 498.49,394.38 498.49,310.97
  region net 3.3VDC: 595.8,67.52 595.8,137.03 548.14,137.03 548.14,196.61 488.56,196.61 490.54,393.23 447.62,376.06 438.1,67.52
  region: 526.29,57.59
  region net 12VDC: 2867.78,2550.02 3032.62,2550.02 3032.62,2736.71 2867.78,2736.71
  region net NetD3_2: 2615.56,2731.72 2615.56,2615.56 2714.86,2615.56 2714.86,2500.37 2830.05,2500.37 2830.05,2733.71
  region net NetQ2_1: 2585.77,2593.72 2585.77,2538.11 2700.96,2540.13 2700.96,2593.57 2585.77,2597.69
  region net NetQ1_1: 2397.1,2422.92 2412.99,2407.03 2484.49,2407.03 2486.47,2407.03 2486.47,2412.99 2486.47,2478.53 2494.42,2478.53 2510.3,2494.42 2510.3,2554 2399.09,2554 2397.1,2552.01
  region net 3.3VDC: 3036.18,442.69 2656.88,444.84 2670.07,544.05 2901.55,540.17 2965.44,505.35 3043.85,488.55 3046.32,454.28
  region net 3.3VDC: 2203.07,1113.51 2204.46,1070.45 2256.1,1044.64 2395.12,993 2464.63,993 2472.57,1030.73 2442.78,1096.27 2369.3,1126.06 2224.27,1138.75 2216.27,1136.06 2202.41,1134
  region net NetC5_1: 1240.15,1287.4 1240.15,1263.78 1212.6,1263.78 1212.6,1216.53 1295.27,1216.53 1366.14,1259.84 1366.14,1326.77 1275.59,1326.77
  region net NetC5_2: 1074.8,1318.9 1055.12,1299.21 1055.12,1212.6 1043.31,1212.6 1019.68,1188.97 909.45,1188.97 922.89,1098.26 1102.23,1098.26 1104.22,1052.58 1200.78,1050.54 1200.79,1287.4 1169.29,1318.89
Bottom Layer:
  region net GND_S: 3250.81,393.79 ccw(c3270.87,914.11) 3290.93,393.79 ccw(c3415.11,879.3) 3328.68,385.67 ccw(c4410.83,1757.22) 3382.32,345 ccw(c3429.8,2808.11) 3477.29,345 ccw(c2987.67,2416.49) 3635.33,388.85 3637.79,414.81 3630.63,442.13 3250.48,443.92 3237.49,426.46
  region net 5VDC: 1406.94,1031.49 1414.03,1004.92 1427.41,1031.49 ccw(c1427.41,1033.96) 1429.73,1033.11 1468.5,1137.79 1456.69,1204.72 1212.6,1204.72 1208.66,1200.79 1208.66,1116.14 1192.91,1110.23 1192.09,1108.15 1208.66,1106.3 1208.66,1090.55 1192.91,1090.55 1192.91,1086.61 1208.66,1078.74 1208.66,1031.49 1348.33,1031.49 1366.37,1006.9 1370.98,1031.49
  region net 3.3VDC_S: 3240.82,453.25 3628.26,449.23 3636.96,476.3 3629.8,503.62 3249.65,505.41 3236.66,487.95
  region net 3.3VDC_S: 3382.39,1429.08 3383.85,1427.62 3424.96,1427.62 3424.96,1289.56 3424.96,1282.13 3432.04,1269.38 3445.19,1269.38 3445.19,1232.38 3445.68,1231.89 3445.19,1231.4 3360.96,1231.4 3339.04,1253.32 3293.29,1253.32 3293.29,1310.27 3290.85,1312.71 3297.18,1319.04 3297.18,1429.07
  region net TEMP_ADC: 3312.95,307.83 3297.72,325.73 3257.34,326.87 3237.92,304.78 3251.63,278.12 3288.57,274.69 3307.62,278.12 3317.14,298.69
  region: 1352.47,1030.73
Int1 (GND) (plane layer: these items are gaps in the copper):
  rectangle: 2961.14,373.9 3032.72,450.79
  rectangle: 3237.56,368.94 3311.65,465.24
  rectangle: 7.94,170.8 397.2,1070.45
  rectangle: 1735.76,2764.51 3139.87,3233.21
  rectangle: 17.73,3217.4 3137.88,3729.71
  rectangle: 452.81,2220.35 1747.68,3735.67
  lines w30: 3145.82,-7.94 3149.66,1732.28
Int2 (PWR) (plane layer: these items are gaps in the copper):
  rectangle: 9.93,172.78 399.19,1070.45
  rectangle: 17.73,3217.4 3137.88,3729.71
  rectangle: 452.81,2220.35 1747.68,3735.67
  rectangle: 1735.76,2764.51 3139.87,3233.21
  lines w20: 459.77,1753.07 699.92,1512.91 703.86,1292.44 983.39,1288.51 1026.7,1288.51 1022.76,1457.8 884.96,1461.73 770.79,1564.1 791.34,1795.27 842.52,1795.27 1759.84,1799.21 2220.47,2480.31 2712.59,2480.31 2929.13,2476.37 3043.3,2555.11 3067.03,2699.48 3007.87,2779.52 2897.63,2759.84 2837.58,2538.11 2254.48,2538.11 2212.59,2633.85 2145.66,2771.65 2026.58,2777.06 1931.11,2725.35 1663.45,1934.17 735.36,1934.17 633,2036.54 562.13,2036.54 459.77,2036.54 459.77,1753.07
  lines w35: 3143.84,-5.96 3149.66,1732.28 ; 1143.94,1034.71 1149.89,716.95 1318.7,516.36 1469.64,434.93 1634.48,446.85 1678.17,583.88 1690.09,722.9 1495.46,758.65 1354.45,897.67 1366.37,1002.93 1501.42,1110.17 1509.36,1163.8 1479.57,1271.04 1402.12,1302.82 1298.84,1231.32 1143.94,1034.71

## Silkscreen, mask and mechanical layers (free items; w line width, h text height)
Top Overlay:
  drawing of 2081 lines, arcs and shapes, not listed
  text "AC" at 340.71,3645.83 h60
  text "12V" at 480.47,2082.83 h60
  text "PROG." at 2846.61,1726.54 h60
  text "SECURITIY_DET." at 3080.88,1252.13 h33.46 r90
  text "5V" at 1319.06,614.33 h60
  text "SENSOR" at 3086.46,586.77 h60 r90
  text "SECURITIY_DET." at 4000.17,80.87 h33.46 r90
Bottom Overlay:
  drawing of 913 lines, arcs and shapes, not listed
  text "MAIN" at 3179.29,663.54 h60 r270
Top Solder:
  region: 2574.8,194.88 2574.8,220.47 2600.39,171.26 2551.18,173.23 2576.77,224.41
Route Tool Path:
  lines w7.87: 3139.57,98.98 3139.57,110.79 ; 3139.57,122.99 3139.57,134.8 ; 3139.57,154.49 3139.57,166.3 ; 3139.57,185.98 3139.57,197.79 ; 3140,936.06 3140,947.87 ; 3140,967.56 3140,979.37 ; 3140,999.06 3140,1010.87 ; 3140.08,526.06 3140.08,537.87 ; 3140.08,557.56 3140.08,569.37 ; 3140.08,589.06 3140.08,600.87 ; 3140.39,1346.57 3140.39,1358.39 ; 3140.39,1378.07 3140.39,1389.88 ; 3140.39,1409.57 3140.39,1421.38 ; 3158.07,98.98 3158.07,110.79 ; 3158.07,122.99 3158.07,134.8 ; 3158.07,154.49 3158.07,166.3 ; 3158.07,185.98 3158.07,197.79 ; 3158.5,936.06 3158.5,947.87 ; 3158.5,967.56 3158.5,979.37 ; 3158.5,999.06 3158.5,1010.87 ; 3158.58,526.06 3158.58,537.87 ; 3158.58,557.56 3158.58,569.37 ; 3158.58,589.06 3158.58,600.87 ; 3158.9,1346.57 3158.9,1358.39 ; 3158.9,1378.07 3158.9,1389.88 ; 3158.9,1409.57 3158.9,1421.38
  lines w27.56: 3148.82,633.7 3148.82,747.87 3148.82,909.29 ; 3149.25,81.14 3150.07,-13.39 4101.57,-13.39 4101.57,1747.46 4002.83,1748.82 3149.61,1748.82 3149.61,1562.99 3149.61,1448.82 ; 3149.61,1724.41 3166.14,1740.94 3166.14,3768.11 -11.81,3768.11 -11.81,-14.17 3150.08,-14.17 ; 3149.68,1037.64 3149.68,1199.06 3149.68,1313.23 ; 3149.84,223.54 3149.84,384.96 3149.84,499.13

## Text inside footprints (layer, text, board x,y; h text height)
J8: Top Overlay "1" at 3089.24,554.83 h31.5 r90
J9: Bottom Overlay "1" at 3184.45,564.61 h31.5 r270
S1: Top Overlay "G" at 3547.44,1500.2 h39.37; Top Overlay "S" at 3671.46,1462.8 h39.37; Top Overlay "D" at 3626.18,1399.8 h39.37
T1: Top Overlay "OUTPUT" at 1517.91,2173.79 h39.37; Top Overlay "INPUT" at 639.64,3370.33 h39.37 r180
U2: Top Designator "Designator" at 1577.27,1728.31 h60